# Altium PCB FX_PCB.PcbDoc (part 4 of 7) (continued)
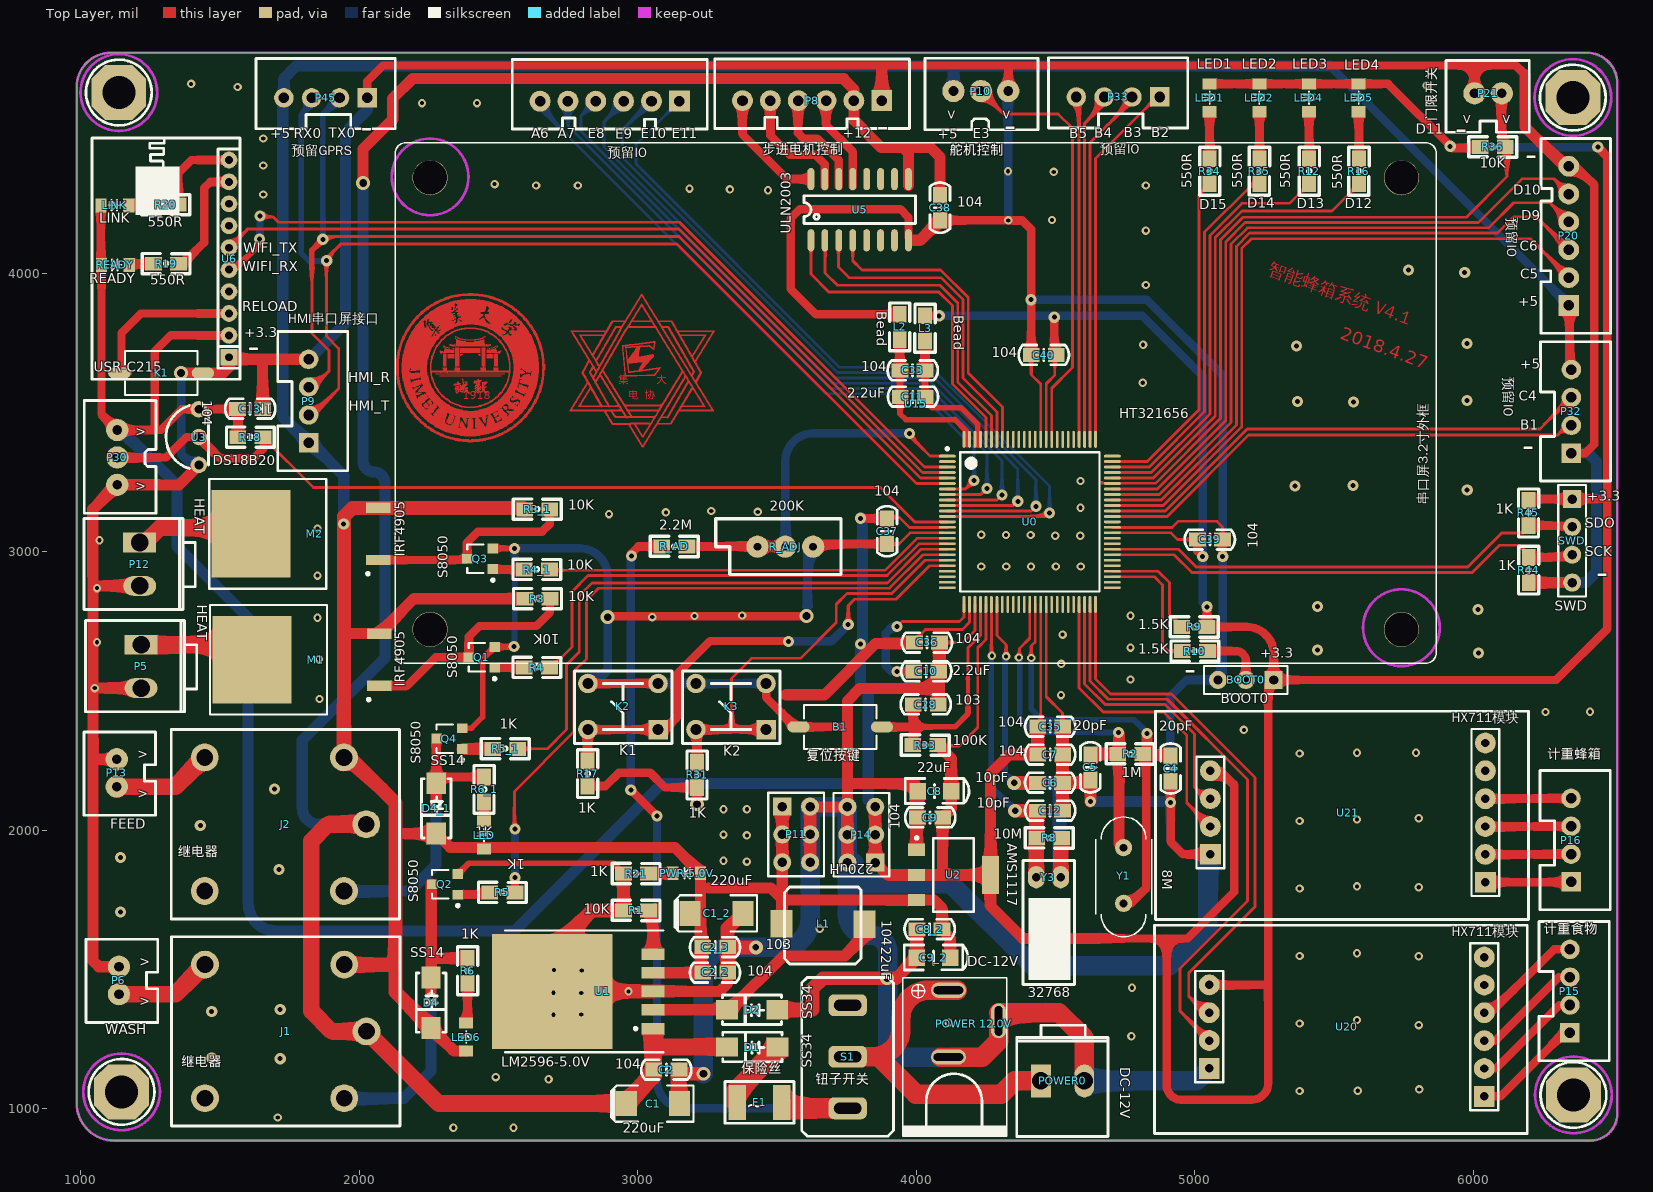
[diagram p0: Top Layer view]
## Nets (pads, with @x,y where several pads share a name; then routed paths per layer and width w, separated by ;. In a path a pad name is that pad's centre, name@x,y a point inside that pad or via, vN(x,y) a via of type N, cw(c..) or ccw(c..) an arc to the next point about the centre after c; other vN are vias at no path point) (continued)
3120.3,3794.3 ; 3115.2,3501.05 3120.3,3501.05 ; 3115.2,3501.9 3120.3,3501.9 ; 3115.2,3540.15 3119.45,3540.15 ; 3115.2,3541 3120.3,3541 ; 3115.2,3575.85 3119.45,3575.85 ; 3115.2,3576.7 3120.3,3576.7 ; 3115.2,3721.2 3119.45,3721.2 ; 3115.2,3756.9 3119.45,3756.9 ; 3115.2,3791.75 3116.05,3791.75 ; 3115.2,3792.6 3121.15,3792.6 ; 3116.05,3502.75 3121.15,3502.75 ; 3116.05,3503.6 3122,3503.6 ; 3116.05,3541.85 3121.15,3541.85 ; 3116.05,3542.7 3121.15,3542.7 ; 3116.05,3577.55 3121.15,3577.55 ; 3116.05,3578.4 3121.15,3578.4 ; 3116.05,3719.5 3120.3,3719.5 ; 3116.05,3720.35 3119.45,3720.35 ; 3116.05,3755.2 3120.3,3755.2 ; 3116.05,3756.05 3119.45,3756.05 ; 3116.05,3790.9 3122,3790.9 ; 3116.9,3504.45 3122,3504.45 ; 3116.9,3543.55 3122,3543.55 ; 3116.9,3579.25 3122,3579.25 ; 3116.9,3717.8 3121.15,3717.8 ; 3116.9,3718.65 3121.15,3718.65 ; 3116.9,3753.5 3121.15,3753.5 ; 3116.9,3754.35 3121.15,3754.35 ; 3116.9,3789.2 3122.85,3789.2 ; 3116.9,3790.05 3122.85,3790.05 ; 3116.9,3791.75 3122,3791.75 ; 3117.75,3459.4 3120.3,3459.4 ; 3117.75,3462.8 3122.85,3462.8 ; 3117.75,3463.65 3122.85,3463.65 ; 3117.75,3505.3 3122.85,3505.3 ; 3117.75,3506.15 3122.85,3506.15 ; 3117.75,3544.4 3122,3544.4 ; 3117.75,3545.25 3122.85,3545.25 ; 3117.75,3580.1 3122,3580.1 ; 3117.75,3580.95 3122.85,3580.95 ; 3117.75,3716.95 3122,3716.95 ; 3117.75,3752.65 3122,3752.65 ; 3117.75,3788.35 3123.7,3788.35 ; 3118.6,3464.5 3123.7,3464.5 ; 3118.6,3507 3123.7,3507 ; 3118.6,3507.85 3123.7,3507.85 ; 3118.6,3546.1 3123.7,3546.1 ; 3118.6,3546.95 3123.7,3546.95 ; 3118.6,3581.8 3123.7,3581.8 ; 3118.6,3582.65 3123.7,3582.65 ; 3118.6,3715.25 3122.85,3715.25 ; 3118.6,3716.1 3122.85,3716.1 ; 3118.6,3750.95 3122.85,3750.95 ; 3118.6,3751.8 3122,3751.8 ; 3118.6,3786.65 3124.55,3786.65 ; 3118.6,3787.5 3124.55,3787.5 ; 3119.45,3465.35 3124.55,3465.35 ; 3119.45,3466.2 3124.55,3466.2 ; 3119.45,3508.7 3124.55,3508.7 ; 3119.45,3547.8 3124.55,3547.8 ; 3119.45,3583.5 3124.55,3583.5 ; 3119.45,3713.55 3123.7,3713.55 ; 3119.45,3714.4 3123.7,3714.4 ; 3119.45,3749.25 3123.7,3749.25 ; 3119.45,3750.1 3123.7,3750.1 ; 3119.45,3784.95 3125.4,3784.95 ; 3119.45,3785.8 3125.4,3785.8 ; 3119.45,3827.45 3124.55,3827.45 ; 3119.45,3830 3122.85,3830 ; 3120.3,3467.05 3125.4,3467.05 ; 3120.3,3467.9 3125.4,3467.9 ; 3120.3,3509.55 3124.55,3509.55 ; 3120.3,3510.4 3125.4,3510.4 ; 3120.3,3548.65 3124.55,3548.65 ; 3120.3,3549.5 3125.4,3549.5 ; 3120.3,3584.35 3124.55,3584.35 ; 3120.3,3585.2 3125.4,3585.2 ; 3120.3,3712.7 3124.55,3712.7 ; 3120.3,3748.4 3124.55,3748.4 ; 3120.3,3783.25 3121.15,3783.25 ; 3120.3,3784.1 3126.25,3784.1 ; 3120.3,3825.75 3125.4,3825.75 ; 3120.3,3826.6 3125.4,3826.6 ; 3121.15,3468.75 3126.25,3468.75 ; 3121.15,3511.25 3126.25,3511.25 ; 3121.15,3512.1 3126.25,3512.1 ; 3121.15,3550.35 3126.25,3550.35 ; 3121.15,3551.2 3126.25,3551.2 ; 3121.15,3586.05 3126.25,3586.05 ; 3121.15,3586.9 3126.25,3586.9 ; 3121.15,3711 3125.4,3711 ; 3121.15,3711.85 3125.4,3711.85 ; 3121.15,3746.7 3125.4,3746.7 ; 3121.15,3747.55 3125.4,3747.55 ; 3121.15,3782.4 3127.1,3782.4 ; 3121.15,3824.9 3126.25,3824.9 ; 3122,3469.6 3127.1,3469.6 ; 3122,3470.45 3127.1,3470.45 ; 3122,3512.95 3127.1,3512.95 ; 3122,3513.8 3127.1,3513.8 ; 3122,3552.05 3127.1,3552.05 ; 3122,3587.75 3127.1,3587.75 ; 3122,3710.15 3126.25,3710.15 ; 3122,3745.85 3126.25,3745.85 ; 3122,3779.85 3128.8,3779.85 ; 3122,3781.55 3127.95,3781.55 ; 3122,3783.25 3126.25,3783.25 ; 3122,3823.2 3127.1,3823.2 ; 3122,3824.05 3126.25,3824.05 ; 3122.85,3471.3 3127.95,3471.3 ; 3122.85,3514.65 3127.95,3514.65 ; 3122.85,3552.9 3127.1,3552.9 ; 3122.85,3553.75 3127.95,3553.75 ; 3122.85,3588.6 3127.95,3588.6 ; 3122.85,3589.45 3127.95,3589.45 ; 3122.85,3708.45 3127.1,3708.45 ; 3122.85,3709.3 3126.25,3709.3 ; 3122.85,3744.15 3127.1,3744.15 ; 3122.85,3745 3126.25,3745 ; 3122.85,3778.15 3123.7,3778.15 ; 3122.85,3779 3128.8,3779 ; 3122.85,3780.7 3127.95,3780.7 ; 3122.85,3821.5 3127.95,3821.5 ; 3122.85,3822.35 3127.1,3822.35 ; 3123.7,3472.15 3127.95,3472.15 ; 3123.7,3473 3128.8,3473 ; 3123.7,3515.5 3127.95,3515.5 ; 3123.7,3516.35 3128.8,3516.35 ; 3123.7,3554.6 3128.8,3554.6 ; 3123.7,3555.45 3128.8,3555.45 ; 3123.7,3590.3 3128.8,3590.3 ; 3123.7,3591.15 3128.8,3591.15 ; 3123.7,3706.75 3127.95,3706.75 ; 3123.7,3707.6 3127.95,3707.6 ; 3123.7,3742.45 3127.95,3742.45 ; 3123.7,3743.3 3127.95,3743.3 ; 3123.7,3777.3 3129.65,3777.3 ; 3123.7,3819.8 3128.8,3819.8 ; 3123.7,3820.65 3128.8,3820.65 ; 3124.55,3473.85 3129.65,3473.85 ; 3124.55,3474.7 3129.65,3474.7 ; 3124.55,3517.2 3129.65,3517.2 ; 3124.55,3518.05 3129.65,3518.05 ; 3124.55,3556.3 3129.65,3556.3 ; 3124.55,3592 3129.65,3592 ; 3124.55,3705.9 3128.8,3705.9 ; 3124.55,3741.6 3128.8,3741.6 ; 3124.55,3776.45 3130.5,3776.45 ; 3124.55,3778.15 3129.65,3778.15 ; 3124.55,3818.95 3129.65,3818.95 ; 3125.4,3475.55 3130.5,3475.55 ; 3125.4,3518.9 3130.5,3518.9 ; 3125.4,3519.75 3130.5,3519.75 ; 3125.4,3557.15 3129.65,3557.15 ; 3125.4,3558 3130.5,3558 ; 3125.4,3592.85 3130.5,3592.85 ; 3125.4,3593.7 3130.5,3593.7 ; 3125.4,3704.2 3129.65,3704.2 ; 3125.4,3705.05 3128.8,3705.05 ; 3125.4,3739.9 3129.65,3739.9 ; 3125.4,3740.75 3128.8,3740.75 ; 3125.4,3774.75 3131.35,3774.75 ; 3125.4,3775.6 3131.35,3775.6 ; 3125.4,3817.25 3130.5,3817.25 ; 3125.4,3818.1 3129.65,3818.1 ; 3126.25,3476.4 3130.5,3476.4 ; 3126.25,3477.25 3131.35,3477.25 ; 3126.25,3520.6 3131.35,3520.6 ; 3126.25,3558.85 3131.35,3558.85 ; 3126.25,3559.7 3131.35,3559.7 ; 3126.25,3594.55 3131.35,3594.55 ; 3126.25,3595.4 3131.35,3595.4 ; 3126.25,3703.35 3130.5,3703.35 ; 3126.25,3738.2 3130.5,3738.2 ; 3126.25,3739.05 3130.5,3739.05 ; 3126.25,3773.05 3132.2,3773.05 ; 3126.25,3773.9 3132.2,3773.9 ; 3126.25,3815.55 3131.35,3815.55 ; 3126.25,3816.4 3130.5,3816.4 ; 3127.1,3478.1 3132.2,3478.1 ; 3127.1,3478.95 3132.2,3478.95 ; 3127.1,3521.45 3131.35,3521.45 ; 3127.1,3522.3 3132.2,3522.3 ; 3127.1,3560.55 3132.2,3560.55 ; 3127.1,3596.25 3132.2,3596.25 ; 3127.1,3701.65 3131.35,3701.65 ; 3127.1,3702.5 3130.5,3702.5 ; 3127.1,3737.35 3131.35,3737.35 ; 3127.1,3771.35 3133.05,3771.35 ; 3127.1,3772.2 3133.05,3772.2 ; 3127.1,3813.85 3132.2,3813.85 ; 3127.1,3814.7 3132.2,3814.7 ; 3127.95,3479.8 3133.05,3479.8 ; 3127.95,3523.15 3133.05,3523.15 ; 3127.95,3524 3133.05,3524 ; 3127.95,3561.4 3132.2,3561.4 ; 3127.95,3562.25 3133.05,3562.25 ; 3127.95,3597.1 3133.05,3597.1 ; 3127.95,3597.95 3133.05,3597.95 ; 3127.95,3699.95 3132.2,3699.95 ; 3127.95,3700.8 3131.35,3700.8 ; 3127.95,3735.65 3132.2,3735.65 ; 3127.95,3736.5 3132.2,3736.5 ; 3127.95,3770.5 3133.9,3770.5 ; 3127.95,3813 3133.05,3813 ; 3128.8,3480.65 3133.05,3480.65 ; 3128.8,3481.5 3133.9,3481.5 ; 3128.8,3524.85 3133.9,3524.85 ; 3128.8,3525.7 3133.9,3525.7 ; 3128.8,3563.1 3133.9,3563.1 ; 3128.8,3563.95 3133.9,3563.95 ; 3128.8,3598.8 3133.9,3598.8 ; 3128.8,3699.1 3133.05,3699.1 ; 3128.8,3733.95 3133.05,3733.95 ; 3128.8,3734.8 3133.05,3734.8 ; 3128.8,3768.8 3134.75,3768.8 ; 3128.8,3769.65 3134.75,3769.65 ; 3128.8,3811.3 3133.9,3811.3 ; 3128.8,3812.15 3133.05,3812.15 ; 3129.65,3482.35 3134.75,3482.35 ; 3129.65,3483.2 3134.75,3483.2 ; 3129.65,3526.55 3134.75,3526.55 ; 3129.65,3564.8 3134.75,3564.8 ; 3129.65,3599.65 3133.9,3599.65 ; 3129.65,3600.5 3134.75,3600.5 ; 3129.65,3697.4 3133.9,3697.4 ; 3129.65,3698.25 3133.05,3698.25 ; 3129.65,3733.1 3133.9,3733.1 ; 3129.65,3767.1 3135.6,3767.1 ; 3129.65,3767.95 3135.6,3767.95 ; 3129.65,3809.6 3134.75,3809.6 ; 3129.65,3810.45 3133.9,3810.45 ; 3130.5,3484.05 3135.6,3484.05 ; 3130.5,3527.4 3134.75,3527.4 ; 3130.5,3528.25 3135.6,3528.25 ; 3130.5,3565.65 3134.75,3565.65 ; 3130.5,3566.5 3135.6,3566.5 ; 3130.5,3601.35 3135.6,3601.35 ; 3130.5,3602.2 3135.6,3602.2 ; 3130.5,3695.7 3134.75,3695.7 ; 3130.5,3696.55 3134.75,3696.55 ; 3130.5,3731.4 3134.75,3731.4 ; 3130.5,3732.25 3133.9,3732.25 ; 3130.5,3766.25 3136.45,3766.25 ; 3130.5,3807.9 3135.6,3807.9 ; 3130.5,3808.75 3135.6,3808.75 ; 3131.35,3484.9 3135.6,3484.9 ; 3131.35,3485.75 3136.45,3485.75 ; 3131.35,3529.1 3136.45,3529.1 ; 3131.35,3529.95 3136.45,3529.95 ; 3131.35,3567.35 3136.45,3567.35 ; 3131.35,3568.2 3136.45,3568.2 ; 3131.35,3603.05 3136.45,3603.05 ; 3131.35,3694.85 3135.6,3694.85 ; 3131.35,3730.55 3135.6,3730.55 ; 3131.35,3764.55 3137.3,3764.55 ; 3131.35,3765.4 3136.45,3765.4 ; 3131.35,3807.05 3136.45,3807.05 ; 3132.2,3486.6 3137.3,3486.6 ; 3132.2,3487.45 3137.3,3487.45 ; 3132.2,3530.8 3137.3,3530.8 ; 3132.2,3531.65 3137.3,3531.65 ; 3132.2,3569.05 3137.3,3569.05 ; 3132.2,3603.9 3136.45,3603.9 ; 3132.2,3604.75 3137.3,3604.75 ; 3132.2,3693.15 3136.45,3693.15 ; 3132.2,3694 3135.6,3694 ; 3132.2,3728.85 3136.45,3728.85 ; 3132.2,3729.7 3135.6,3729.7 ; 3132.2,3762.85 3138.15,3762.85 ; 3132.2,3763.7 3138.15,3763.7 ; 3132.2,3805.35 3137.3,3805.35 ; 3132.2,3806.2 3136.45,3806.2 ; 3133.05,3488.3 3138.15,3488.3 ; 3133.05,3532.5 3138.15,3532.5 ; 3133.05,3569.9 3137.3,3569.9 ; 3133.05,3570.75 3138.15,3570.75 ; 3133.05,3605.6 3138.15,3605.6 ; 3133.05,3606.45 3138.15,3606.45 ; 3133.05,3691.45 3137.3,3691.45 ; 3133.05,3692.3 3137.3,3692.3 ; 3133.05,3727.15 3137.3,3727.15 ; 3133.05,3728 3137.3,3728 ; 3133.05,3761.15 3139,3761.15 ; 3133.05,3762 3139,3762 ; 3133.05,3803.65 3138.15,3803.65 ; 3133.05,3804.5 3137.3,3804.5 ; 3133.9,3489.15 3139,3489.15 ; 3133.9,3490 3139,3490 ; 3133.9,3533.35 3139,3533.35 ; 3133.9,3534.2 3139,3534.2 ; 3133.9,3571.6 3139,3571.6 ; 3133.9,3572.45 3139,3572.45 ; 3133.9,3607.3 3139,3607.3 ; 3133.9,3690.6 3138.15,3690.6 ; 3133.9,3726.3 3138.15,3726.3 ; 3133.9,3760.3 3139.85,3760.3 ; 3133.9,3801.95 3139,3801.95 ; 3133.9,3802.8 3139,3802.8 ; 3134.75,3490.85 3139.85,3490.85 ; 3134.75,3491.7 3139.85,3491.7 ; 3134.75,3535.05 3139.85,3535.05 ; 3134.75,3535.9 3140.7,3535.9 ; 3134.75,3573.3 3139.85,3573.3 ; 3134.75,3608.15 3139,3608.15 ; 3134.75,3609 3139.85,3609 ; 3134.75,3688.9 3139,3688.9 ; 3134.75,3689.75 3139,3689.75 ; 3134.75,3724.6 3139,3724.6 ; 3134.75,3725.45 3138.15,3725.45 ; 3134.75,3758.6 3140.7,3758.6 ; 3134.75,3759.45 3139.85,3759.45 ; 3134.75,3801.1 3139.85,3801.1 ; 3135.6,3492.55 3140.7,3492.55 ; 3135.6,3536.75 3140.7,3536.75 ; 3135.6,3574.15 3139.85,3574.15 ; 3135.6,3575 3140.7,3575 ; 3135.6,3609.85 3140.7,3609.85 ; 3135.6,3610.7 3140.7,3610.7 ; 3135.6,3688.05 3139.85,3688.05 ; 3135.6,3722.9 3139.85,3722.9 ; 3135.6,3723.75 3139.85,3723.75 ; 3135.6,3756.9 3141.55,3756.9 ; 3135.6,3757.75 3141.55,3757.75 ; 3135.6,3799.4 3140.7,3799.4 ; 3135.6,3800.25 3139.85,3800.25 ; 3136.45,3493.4 3141.55,3493.4 ; 3136.45,3494.25 3141.55,3494.25 ; 3136.45,3537.6 3140.7,3537.6 ; 3136.45,3538.45 3141.55,3538.45 ; 3136.45,3575.85 3141.55,3575.85 ; 3136.45,3576.7 3141.55,3576.7 ; 3136.45,3611.55 3141.55,3611.55 ; 3136.45,3686.35 3140.7,3686.35 ; 3136.45,3687.2 3139.85,3687.2 ; 3136.45,3722.05 3140.7,3722.05 ; 3136.45,3755.2 3137.3,3755.2 ; 3136.45,3756.05 3142.4,3756.05 ; 3136.45,3797.7 3141.55,3797.7 ; 3136.45,3798.55 3140.7,3798.55 ; 3137.3,3495.1 3142.4,3495.1 ; 3137.3,3495.95 3142.4,3495.95 ; 3137.3,3539.3 3141.55,3539.3 ; 3137.3,3540.15 3142.4,3540.15 ; 3137.3,3577.55 3142.4,3577.55 ; 3137.3,3612.4 3142.4,3612.4 ; 3137.3,3613.25 3142.4,3613.25 ; 3137.3,3684.65 3141.55,3684.65 ; 3137.3,3685.5 3141.55,3685.5 ; 3137.3,3720.35 3141.55,3720.35 ; 3137.3,3721.2 3140.7,3721.2 ; 3137.3,3754.35 3143.25,3754.35 ; 3137.3,3796 3142.4,3796 ; 3137.3,3796.85 3142.4,3796.85 ; 3138.15,3496.8 3143.25,3496.8 ; 3138.15,3541 3143.25,3541 ; 3138.15,3541.85 3143.25,3541.85 ; 3138.15,3578.4 3142.4,3578.4 ; 3138.15,3579.25 3143.25,3579.25 ; 3138.15,3614.1 3143.25,3614.1 ; 3138.15,3614.95 3143.25,3614.95 ; 3138.15,3683.8 3142.4,3683.8 ; 3138.15,3719.5 3142.4,3719.5 ; 3138.15,3752.65 3144.1,3752.65 ; 3138.15,3753.5 3143.25,3753.5 ; 3138.15,3755.2 3142.4,3755.2 ; 3138.15,3795.15 3143.25,3795.15 ; 3139,3497.65 3144.1,3497.65 ; 3139,3498.5 3144.1,3498.5 ; 3139,3542.7 3144.1,3542.7 ; 3139,3580.1 3144.1,3580.1 ; 3139,3580.95 3144.1,3580.95 ; 3139,3615.8 3144.1,3615.8 ; 3139,3682.1 3143.25,3682.1 ; 3139,3682.95 3142.4,3682.95 ; 3139,3717.8 3143.25,3717.8 ; 3139,3718.65 3142.4,3718.65 ; 3139,3750.95 3144.95,3750.95 ; 3139,3751.8 3144.95,3751.8 ; 3139,3793.45 3275.85,3793.45 ; 3139,3794.3 3276.7,3794.3 ; 3139.85,3499.35 3144.95,3499.35 ; 3139.85,3543.55 3144.1,3543.55 ; 3139.85,3544.4 3144.95,3544.4 ; 3139.85,3581.8 3144.95,3581.8 ; 3139.85,3616.65 3144.95,3616.65 ; 3139.85,3617.5 3144.95,3617.5 ; 3139.85,3680.4 3144.1,3680.4 ; 3139.85,3681.25 3144.1,3681.25 ; 3139.85,3716.1 3144.1,3716.1 ; 3139.85,3716.95 3144.1,3716.95 ; 3139.85,3750.1 3145.8,3750.1 ; 3139.85,3791.75 3275,3791.75 ; 3139.85,3792.6 3275,3792.6 ; 3140.7,3500.2 3144.95,3500.2 ; 3140.7,3501.05 3145.8,3501.05 ; 3140.7,3545.25 3145.8,3545.25 ; 3140.7,3546.1 3145.8,3546.1 ; 3140.7,3582.65 3144.95,3582.65 ; 3140.7,3583.5 3145.8,3583.5 ; 3140.7,3618.35 3145.8,3618.35 ; 3140.7,3679.55 3144.95,3679.55 ; 3140.7,3715.25 3144.95,3715.25 ; 3140.7,3748.4 3146.65,3748.4 ; 3140.7,3749.25 3145.8,3749.25 ; 3140.7,3790.05 3145.8,3790.05 ; 3140.7,3790.9 3145.8,3790.9 ; 3141.55,3501.9 3146.65,3501.9 ; 3141.55,3502.75 3146.65,3502.75 ; 3141.55,3546.95 3146.65,3546.95 ; 3141.55,3547.8 3146.65,3547.8 ; 3141.55,3584.35 3146.65,3584.35 ; 3141.55,3585.2 3146.65,3585.2 ; 3141.55,3619.2 3145.8,3619.2 ; 3141.55,3620.05 3146.65,3620.05 ; 3141.55,3677.85 3145.8,3677.85 ; 3141.55,3678.7 3145.8,3678.7 ; 3141.55,3713.55 3145.8,3713.55 ; 3141.55,3714.4 3144.95,3714.4 ; 3141.55,3746.7 3147.5,3746.7 ; 3141.55,3747.55 3146.65,3747.55 ; 3141.55,3789.2 3146.65,3789.2 ; 3142.4,3503.6 3147.5,3503.6 ; 3142.4,3548.65 3147.5,3548.65 ; 3142.4,3586.05 3147.5,3586.05 ; 3142.4,3586.9 3147.5,3586.9 ; 3142.4,3620.9 3147.5,3620.9 ; 3142.4,3621.75 3147.5,3621.75 ; 3142.4,3676.15 3146.65,3676.15 ; 3142.4,3677 3146.65,3677 ; 3142.4,3712.7 3146.65,3712.7 ; 3142.4,3745.85 3148.35,3745.85 ; 3142.4,3787.5 3147.5,3787.5 ; 3142.4,3788.35 3146.65,3788.35 ; 3143.25,3504.45 3147.5,3504.45 ; 3143.25,3505.3 3148.35,3505.3 ; 3143.25,3549.5 3148.35,3549.5 ; 3143.25,3550.35 3148.35,3550.35 ; 3143.25,3587.75 3148.35,3587.75 ; 3143.25,3622.6 3148.35,3622.6 ; 3143.25,3675.3 3147.5,3675.3 ; 3143.25,3711 3147.5,3711 ; 3143.25,3711.85 3146.65,3711.85 ; 3143.25,3744.15 3149.2,3744.15 ; 3143.25,3745 3148.35,3745 ; 3143.25,3785.8 3148.35,3785.8 ; 3143.25,3786.65 3147.5,3786.65 ; 3144.1,3506.15 3149.2,3506.15 ; 3144.1,3507 3273.3,3507 ; 3144.1,3551.2 3149.2,3551.2 ; 3144.1,3552.05 3149.2,3552.05 ; 3144.1,3588.6 3149.2,3588.6 ; 3144.1,3589.45 3149.2,3589.45 ; 3144.1,3623.45 3148.35,3623.45 ; 3144.1,3624.3 3149.2,3624.3 ; 3144.1,3673.6 3148.35,3673.6 ; 3144.1,3674.45 3148.35,3674.45 ; 3144.1,3709.3 3148.35,3709.3 ; 3144.1,3710.15 3148.35,3710.15 ; 3144.1,3742.45 3150.05,3742.45 ; 3144.1,3784.1 3149.2,3784.1 ; 3144.1,3784.95 3149.2,3784.95 ; 3144.95,3507.85 3272.45,3507.85 ; 3144.95,3552.9 3150.05,3552.9 ; 3144.95,3553.75 3150.9,3553.75 ; 3144.95,3590.3 3150.05,3590.3 ; 3144.95,3591.15 3150.05,3591.15 ; 3144.95,3625.15 3150.05,3625.15 ; 3144.95,3626 3150.05,3626 ; 3144.95,3672.75 3149.2,3672.75 ; 3144.95,3708.45 3149.2,3708.45 ; 3144.95,3740.75 3150.9,3740.75 ; 3144.95,3741.6 3150.05,3741.6 ; 3144.95,3743.3 3149.2,3743.3 ; 3144.95,3783.25 3150.05,3783.25 ; 3145.8,3508.7 3271.6,3508.7 ; 3145.8,3509.55 3271.6,3509.55 ; 3145.8,3554.6 3150.9,3554.6 ; 3145.8,3592 3150.9,3592 ; 3145.8,3626.85 3150.9,3626.85 ; 3145.8,3671.05 3150.05,3671.05 ; 3145.8,3671.9 3149.2,3671.9 ; 3145.8,3706.75 3150.05,3706.75 ; 3145.8,3707.6 3149.2,3707.6 ; 3145.8,3739.05 3151.75,3739.05 ; 3145.8,3739.9 3151.75,3739.9 ; 3145.8,3781.55 3150.9,3781.55 ; 3145.8,3782.4 3150.05,3782.4 ; 3146.65,3510.4 3151.75,3510.4 ; 3146.65,3511.25 3151.75,3511.25 ; 3146.65,3555.45 3151.75,3555.45 ; 3146.65,3556.3 3151.75,3556.3 ; 3146.65,3592.85 3151.75,3592.85 ; 3146.65,3593.7 3151.75,3593.7 ; 3146.65,3627.7 3150.9,3627.7 ; 3146.65,3628.55 3151.75,3628.55 ; 3146.65,3669.35 3150.9,3669.35 ; 3146.65,3670.2 3150.9,3670.2 ; 3146.65,3705.05 3150.9,3705.05 ; 3146.65,3705.9 3150.9,3705.9 ; 3146.65,3738.2 3152.6,3738.2 ; 3146.65,3779.85 3245.25,3779.85 ; 3146.65,3780.7 3150.9,3780.7 ; 3147.5,3512.1 3152.6,3512.1 ; 3147.5,3557.15 3152.6,3557.15 ; 3147.5,3558 3152.6,3558 ; 3147.5,3594.55 3152.6,3594.55 ; 3147.5,3595.4 3152.6,3595.4 ; 3147.5,3629.4 3152.6,3629.4 ; 3147.5,3630.25 3152.6,3630.25 ; 3147.5,3668.5 3151.75,3668.5 ; 3147.5,3704.2 3151.75,3704.2 ; 3147.5,3736.5 3153.45,3736.5 ; 3147.5,3737.35 3152.6,3737.35 ; 3147.5,3778.15 3244.4,3778.15 ; 3147.5,3779 3245.25,3779 ; 3148.35,3512.95 3152.6,3512.95 ; 3148.35,3513.8 3153.45,3513.8 ; 3148.35,3558.85 3153.45,3558.85 ; 3148.35,3596.25 3153.45,3596.25 ; 3148.35,3631.1 3153.45,3631.1 ; 3148.35,3666.8 3152.6,3666.8 ; 3148.35,3667.65 3152.6,3667.65 ; 3148.35,3702.5 3152.6,3702.5 ; 3148.35,3703.35 3151.75,3703.35 ; 3148.35,3734.8 3154.3,3734.8 ; 3148.35,3735.65 3153.45,3735.65 ; 3148.35,3777.3 3244.4,3777.3 ; 3149.2,3514.65 3154.3,3514.65 ; 3149.2,3515.5 3154.3,3515.5 ; 3149.2,3559.7 3154.3,3559.7 ; 3149.2,3560.55 3154.3,3560.55 ; 3149.2,3597.1 3154.3,3597.1 ; 3149.2,3597.95 3154.3,3597.95 ; 3149.2,3631.95 3154.3,3631.95 ; 3149.2,3632.8 3154.3,3632.8 ; 3149.2,3665.95 3153.45,3665.95 ; 3149.2,3700.8 3153.45,3700.8 ; 3149.2,3701.65 3153.45,3701.65 ; 3149.2,3733.95 3155.15,3733.95 ; 3149.2,3775.6 3154.3,3775.6 ; 3149.2,3776.45 3153.45,3776.45 ; 3150.05,3516.35 3155.15,3516.35 ; 3150.05,3561.4 3155.15,3561.4 ; 3150.05,3562.25 3155.15,3562.25 ; 3150.05,3598.8 3155.15,3598.8 ; 3150.05,3599.65 3155.15,3599.65 ; 3150.05,3633.65 3155.15,3633.65 ; 3150.05,3634.5 3155.15,3634.5 ; 3150.05,3664.25 3154.3,3664.25 ; 3150.05,3665.1 3153.45,3665.1 ; 3150.05,3699.95 3154.3,3699.95 ; 3150.05,3732.25 3156,3732.25 ; 3150.05,3733.1 3155.15,3733.1 ; 3150.05,3773.9 3155.15,3773.9 ; 3150.05,3774.75 3154.3,3774.75 ; 3150.9,3517.2 3156,3517.2 ; 3150.9,3518.05 3156,3518.05 ; 3150.9,3563.1 3156,3563.1 ; 3150.9,3563.95 3156,3563.95 ; 3150.9,3600.5 3156,3600.5 ; 3150.9,3635.35 3156,3635.35 ; 3150.9,3662.55 3155.15,3662.55 ; 3150.9,3663.4 3155.15,3663.4 ; 3150.9,3698.25 3155.15,3698.25 ; 3150.9,3699.1 3154.3,3699.1 ; 3150.9,3730.55 3156.85,3730.55 ; 3150.9,3731.4 3156,3731.4 ; 3150.9,3772.2 3156,3772.2 ; 3150.9,3773.05 3156,3773.05 ; 3151.75,3518.9 3156.85,3518.9 ; 3151.75,3519.75 3156.85,3519.75 ; 3151.75,3564.8 3156.85,3564.8 ; 3151.75,3601.35 3156.85,3601.35 ; 3151.75,3602.2 3156.85,3602.2 ; 3151.75,3636.2 3156.85,3636.2 ; 3151.75,3637.05 3156.85,3637.05 ; 3151.75,3661.7 3156,3661.7 ; 3151.75,3696.55 3156,3696.55 ; 3151.75,3697.4 3156,3697.4 ; 3151.75,3728.85 3157.7,3728.85 ; 3151.75,3729.7 3157.7,3729.7 ; 3151.75,3771.35 3156.85,3771.35 ; 3152.6,3520.6 3157.7,3520.6 ; 3152.6,3565.65 3156.85,3565.65 ; 3152.6,3566.5 3157.7,3566.5 ; 3152.6,3603.05 3157.7,3603.05 ; 3152.6,3603.9 3157.7,3603.9 ; 3152.6,3637.9 3157.7,3637.9 ; 3152.6,3660 3156.85,3660 ; 3152.6,3660.85 3156,3660.85 ; 3152.6,3695.7 3156.85,3695.7 ; 3152.6,3727.15 3158.55,3727.15 ; 3152.6,3728 3158.55,3728 ; 3152.6,3769.65 3157.7,3769.65 ; 3152.6,3770.5 3156.85,3770.5 ; 3153.45,3521.45 3241.85,3521.45 ; 3153.45,3522.3 3241.85,3522.3 ; 3153.45,3567.35 3158.55,3567.35 ; 3153.45,3568.2 3158.55,3568.2 ; 3153.45,3604.75 3158.55,3604.75 ; 3153.45,3638.75 3157.7,3638.75 ; 3153.45,3639.6 3158.55,3639.6 ; 3153.45,3659.15 3157.7,3659.15 ; 3153.45,3694 3157.7,3694 ; 3153.45,3694.85 3157.7,3694.85 ; 3153.45,3726.3 3159.4,3726.3 ; 3153.45,3767.95 3158.55,3767.95 ; 3153.45,3768.8 3157.7,3768.8 ; 3154.3,3523.15 3241,3523.15 ; 3154.3,3569.05 3159.4,3569.05 ; 3154.3,3569.9 3160.25,3569.9 ; 3154.3,3605.6 3159.4,3605.6 ; 3154.3,3606.45 3159.4,3606.45 ; 3154.3,3640.45 3159.4,3640.45 ; 3154.3,3641.3 3159.4,3641.3 ; 3154.3,3657.45 3158.55,3657.45 ; 3154.3,3658.3 3157.7,3658.3 ; 3154.3,3693.15 3158.55,3693.15 ; 3154.3,3724.6 3160.25,3724.6 ; 3154.3,3725.45 3159.4,3725.45 ; 3154.3,3766.25 3159.4,3766.25 ; 3154.3,3767.1 3159.4,3767.1 ; 3155.15,3524 3241,3524 ; 3155.15,3524.85 3160.25,3524.85 ; 3155.15,3570.75 3160.25,3570.75 ; 3155.15,3607.3 3160.25,3607.3 ; 3155.15,3608.15 3160.25,3608.15 ; 3155.15,3642.15 3160.25,3642.15 ; 3155.15,3655.75 3159.4,3655.75 ; 3155.15,3656.6 3158.55,3656.6 ; 3155.15,3691.45 3159.4,3691.45 ; 3155.15,3692.3 3159.4,3692.3 ; 3155.15,3722.9 3161.1,3722.9 ; 3155.15,3723.75 3161.1,3723.75 ; 3155.15,3765.4 3160.25,3765.4 ; 3156,3525.7 3161.1,3525.7 ; 3156,3526.55 3161.1,3526.55 ; 3156,3571.6 3161.1,3571.6 ; 3156,3572.45 3161.1,3572.45 ; 3156,3609 3161.1,3609 ; 3156,3643 3160.25,3643 ; 3156,3643.85 3161.1,3643.85 ; 3156,3654.9 3160.25,3654.9 ; 3156,3689.75 3160.25,3689.75 ; 3156,3690.6 3160.25,3690.6 ; 3156,3722.05 3161.95,3722.05 ; 3156,3763.7 3161.1,3763.7 ; 3156,3764.55 3160.25,3764.55 ; 3156.85,3527.4 3161.95,3527.4 ; 3156.85,3573.3 3161.95,3573.3 ; 3156.85,3574.15 3161.95,3574.15 ; 3156.85,3609.85 3161.95,3609.85 ; 3156.85,3610.7 3161.95,3610.7 ; 3156.85,3644.7 3166.2,3644.7 ; 3156.85,3645.55 3166.2,3645.55 ; 3156.85,3653.2 3161.1,3653.2 ; 3156.85,3654.05 3160.25,3654.05 ; 3156.85,3688.9 3161.1,3688.9 ; 3156.85,3720.35 3162.8,3720.35 ; 3156.85,3721.2 3161.95,3721.2 ; 3156.85,3762 3161.95,3762 ; 3156.85,3762.85 3161.1,3762.85 ; 3157.7,3528.25 3161.95,3528.25 ; 3157.7,3529.1 3162.8,3529.1 ; 3157.7,3575 3162.8,3575 ; 3157.7,3575.85 3162.8,3575.85 ; 3157.7,3611.55 3162.8,3611.55 ; 3157.7,3612.4 3162.8,3612.4 ; 3157.7,3646.4 3165.35,3646.4 ; 3157.7,3651.5 3161.95,3651.5 ; 3157.7,3652.35 3161.95,3652.35 ; 3157.7,3687.2 3161.95,3687.2 ; 3157.7,3688.05 3161.95,3688.05 ; 3157.7,3718.65 3163.65,3718.65 ; 3157.7,3719.5 3162.8,3719.5 ; 3157.7,3760.3 3162.8,3760.3 ; 3157.7,3761.15 3162.8,3761.15 ; 3158.55,3529.95 3163.65,3529.95 ; 3158.55,3530.8 3163.65,3530.8 ; 3158.55,3576.7 3163.65,3576.7 ; 3158.55,3613.25 3163.65,3613.25 ; 3158.55,3647.25 3164.5,3647.25 ; 3158.55,3648.1 3164.5,3648.1 ; 3158.55,3650.65 3162.8,3650.65 ; 3158.55,3686.35 3162.8,3686.35 ; 3158.55,3716.95 3164.5,3716.95 ; 3158.55,3717.8 3164.5,3717.8 ; 3158.55,3759.45 3163.65,3759.45 ; 3159.4,3531.65 3164.5,3531.65 ; 3159.4,3577.55 3164.5,3577.55 ; 3159.4,3578.4 3164.5,3578.4 ; 3159.4,3614.1 3164.5,3614.1 ; 3159.4,3614.95 3164.5,3614.95 ; 3159.4,3648.95 3163.65,3648.95 ; 3159.4,3649.8 3162.8,3649.8 ; 3159.4,3684.65 3163.65,3684.65 ; 3159.4,3685.5 3162.8,3685.5 ; 3159.4,3715.25 3165.35,3715.25 ; 3159.4,3716.1 3165.35,3716.1 ; 3159.4,3757.75 3164.5,3757.75 ; 3159.4,3758.6 3163.65,3758.6 ; 3160.25,3532.5 3164.5,3532.5 ; 3160.25,3533.35 3165.35,3533.35 ; 3160.25,3579.25 3165.35,3579.25 ; 3160.25,3580.1 3166.2,3580.1 ; 3160.25,3615.8 3165.35,3615.8 ; 3160.25,3616.65 3165.35,3616.65 ; 3160.25,3682.95 3164.5,3682.95 ; 3160.25,3683.8 3164.5,3683.8 ; 3160.25,3714.4 3166.2,3714.4 ; 3160.25,3756.05 3165.35,3756.05 ; 3160.25,3756.9 3164.5,3756.9 ; 3161.1,3534.2 3166.2,3534.2 ; 3161.1,3535.05 3166.2,3535.05 ; 3161.1,3580.95 3166.2,3580.95 ; 3161.1,3581.8 3166.2,3581.8 ; 3161.1,3617.5 3166.2,3617.5 ; 3161.1,3682.1 3165.35,3682.1 ; 3161.1,3712.7 3167.05,3712.7 ; 3161.1,3713.55 3166.2,3713.55 ; 3161.1,3754.35 3166.2,3754.35 ; 3161.1,3755.2 3166.2,3755.2 ; 3161.95,3535.9 3167.05,3535.9 ; 3161.95,3582.65 3167.05,3582.65 ; 3161.95,3618.35 3166.2,3618.35 ; 3161.95,3619.2 3167.05,3619.2 ; 3161.95,3680.4 3166.2,3680.4 ; 3161.95,3681.25 3165.35,3681.25 ; 3161.95,3711.85 3167.9,3711.85 ; 3161.95,3753.5 3167.05,3753.5 ; 3162.8,3536.75 3167.05,3536.75 ; 3162.8,3537.6 3167.9,3537.6 ; 3162.8,3583.5 3167.9,3583.5 ; 3162.8,3584.35 3167.9,3584.35 ; 3162.8,3620.05 3167.9,3620.05 ; 3162.8,3620.9 3167.9,3620.9 ; 3162.8,3643.85 3167.05,3643.85 ; 3162.8,3678.7 3167.05,3678.7 ; 3162.8,3679.55 3167.05,3679.55 ; 3162.8,3710.15 3168.75,3710.15 ; 3162.8,3711 3167.9,3711 ; 3162.8,3751.8 3167.9,3751.8 ; 3162.8,3752.65 3167.05,3752.65 ; 3163.65,3538.45 3168.75,3538.45 ; 3163.65,3539.3 3168.75,3539.3 ; 3163.65,3585.2 3168.75,3585.2 ; 3163.65,3586.05 3168.75,3586.05 ; 3163.65,3621.75 3168.75,3621.75 ; 3163.65,3642.15 3167.9,3642.15 ; 3163.65,3643 3167.05,3643 ; 3163.65,3677.85 3167.9,3677.85 ; 3163.65,3709.3 3168.75,3709.3 ; 3163.65,3750.1 3168.75,3750.1 ; 3163.65,3750.95 3167.9,3750.95 ; 3164.5,3540.15 3169.6,3540.15 ; 3164.5,3586.9 3169.6,3586.9 ; 3164.5,3622.6 3168.75,3622.6 ; 3164.5,3623.45 3169.6,3623.45 ; 3164.5,3641.3 3168.75,3641.3 ; 3164.5,3676.15 3168.75,3676.15 ; 3164.5,3677 3168.75,3677 ; 3164.5,3706.75 3170.45,3706.75 ; 3164.5,3707.6 3169.6,3707.6 ; 3164.5,3708.45 3169.6,3708.45 ; 3164.5,3748.4 3169.6,3748.4 ; 3164.5,3749.25 3169.6,3749.25 ; 3165.35,3541 3170.45,3541 ; 3165.35,3541.85 3170.45,3541.85 ; 3165.35,3587.75 3170.45,3587.75 ; 3165.35,3588.6 3170.45,3588.6 ; 3165.35,3624.3 3170.45,3624.3 ; 3165.35,3625.15 3170.45,3625.15 ; 3165.35,3639.6 3169.6,3639.6 ; 3165.35,3640.45 3168.75,3640.45 ; 3165.35,3675.3 3169.6,3675.3 ; 3165.35,3705.05 3171.3,3705.05 ; 3165.35,3705.9 3171.3,3705.9 ; 3165.35,3747.55 3170.45,3747.55 ; 3166.2,3542.7 3171.3,3542.7 ; 3166.2,3543.55 3171.3,3543.55 ; 3166.2,3589.45 3171.3,3589.45 ; 3166.2,3590.3 3171.3,3590.3 ; 3166.2,3626 3171.3,3626 ; 3166.2,3637.9 3170.45,3637.9 ; 3166.2,3638.75 3169.6,3638.75 ; 3166.2,3673.6 3170.45,3673.6 ; 3166.2,3674.45 3169.6,3674.45 ; 3166.2,3703.35 3172.15,3703.35 ; 3166.2,3704.2 3172.15,3704.2 ; 3166.2,3745.85 3171.3,3745.85 ; 3166.2,3746.7 3170.45,3746.7 ; 3167.05,3544.4 3172.15,3544.4 ; 3167.05,3591.15 3172.15,3591.15 ; 3167.05,3592 3172.15,3592 ; 3167.05,3626.85 3171.3,3626.85 ; 3167.05,3627.7 3177.25,3627.7 ; 3167.05,3636.2 3171.3,3636.2 ; 3167.05,3637.05 3171.3,3637.05 ; 3167.05,3671.9 3171.3,3671.9 ; 3167.05,3672.75 3171.3,3672.75 ; 3167.05,3744.15 3172.15,3744.15 ; 3167.05,3745 3171.3,3745 ; 3167.9,3545.25 3173,3545.25 ; 3167.9,3546.1 3173,3546.1 ; 3167.9,3592.85 3173,3592.85 ; 3167.9,3628.55 3176.4,3628.55 ; 3167.9,3629.4 3175.55,3629.4 ; 3167.9,3635.35 3172.15,3635.35 ; 3167.9,3671.05 3172.15,3671.05 ; 3167.9,3700.8 3173.85,3700.8 ; 3167.9,3701.65 3173,3701.65 ; 3167.9,3702.5 3173,3702.5 ; 3167.9,3743.3 3173,3743.3 ; 3168.75,3546.95 3173.85,3546.95 ; 3168.75,3547.8 3173.85,3547.8 ; 3168.75,3593.7 3173.85,3593.7 ; 3168.75,3594.55 3173.85,3594.55 ; 3168.75,3630.25 3175.55,3630.25 ; 3168.75,3633.65 3173,3633.65 ; 3168.75,3634.5 3173,3634.5 ; 3168.75,3669.35 3173,3669.35 ; 3168.75,3670.2 3173,3670.2 ; 3168.75,3699.1 3174.7,3699.1 ; 3168.75,3699.95 3174.7,3699.95 ; 3168.75,3741.6 3173.85,3741.6 ; 3168.75,3742.45 3173,3742.45 ; 3169.6,3548.65 3174.7,3548.65 ; 3169.6,3595.4 3174.7,3595.4 ; 3169.6,3596.25 3174.7,3596.25 ; 3169.6,3631.1 3174.7,3631.1 ; 3169.6,3631.95 3173.85,3631.95 ; 3169.6,3632.8 3173.85,3632.8 ; 3169.6,3668.5 3173.85,3668.5 ; 3169.6,3698.25 3175.55,3698.25 ; 3169.6,3739.9 3174.7,3739.9 ; 3169.6,3740.75 3173.85,3740.75 ; 3170.45,3549.5 3175.55,3549.5 ; 3170.45,3550.35 3175.55,3550.35 ; 3170.45,3551.2 3176.4,3551.2 ; 3170.45,3597.1 3175.55,3597.1 ; 3170.45,3597.95 3175.55,3597.95 ; 3170.45,3666.8 3174.7,3666.8 ; 3170.45,3667.65 3174.7,3667.65 ; 3170.45,3696.55 3176.4,3696.55 ; 3170.45,3697.4 3175.55,3697.4 ; 3170.45,3738.2 3175.55,3738.2 ; 3170.45,3739.05 3175.55,3739.05 ; 3171.3,3552.9 3177.25,3552.9 ; 3171.3,3598.8 3176.4,3598.8 ; 3171.3,3665.1 3175.55,3665.1 ; 3171.3,3665.95 3175.55,3665.95 ; 3171.3,3695.7 3176.4,3695.7 ; 3171.3,3737.35 3176.4,3737.35 ; 3172.15,3552.05 3176.4,3552.05 ; 3172.15,3553.75 3178.1,3553.75 ; 3172.15,3599.65 3177.25,3599.65 ; 3172.15,3600.5 3177.25,3600.5 ; 3172.15,3664.25 3176.4,3664.25 ; 3172.15,3694 3178.1,3694 ; 3172.15,3694.85 3177.25,3694.85 ; 3172.15,3735.65 3177.25,3735.65 ; 3172.15,3736.5 3176.4,3736.5 ; 3173,3554.6 3178.1,3554.6 ; 3173,3555.45 3178.95,3555.45 ; 3173,3601.35 3178.1,3601.35 ; 3173,3602.2 3178.1,3602.2 ; 3173,3626.85 3177.25,3626.85 ; 3173,3662.55 3177.25,3662.55 ; 3173,3663.4 3176.4,3663.4 ; 3173,3692.3 3178.95,3692.3 ; 3173,3693.15 3178.1,3693.15 ; 3173,3733.95 3178.1,3733.95 ; 3173,3734.8 3177.25,3734.8 ; 3173.85,3556.3 3178.95,3556.3 ; 3173.85,3557.15 3179.8,3557.15 ; 3173.85,3603.05 3178.95,3603.05 ; 3173.85,3603.9 3179.8,3603.9 ; 3173.85,3625.15 3178.1,3625.15 ; 3173.85,3626 3178.1,3626 ; 3173.85,3660.85 3178.1,3660.85 ; 3173.85,3661.7 3178.1,3661.7 ; 3173.85,3690.6 3179.8,3690.6 ; 3173.85,3691.45 3178.95,3691.45 ; 3173.85,3732.25 3178.95,3732.25 ; 3173.85,3733.1 3178.95,3733.1 ; 3174.7,3558 3180.65,3558